# Altium PCB 0020-03_FFT2G.PcbDoc (part 16 of 16)
Units mm, origin at the board's own origin, x right, y up, seen from the top; angles counter-clockwise.
Board outline 195 x 104.5 mm, 12 copper layers (Top Layer, GND1, LVDS1, PWR1, LVDS2, PWR2, LVDS3, PWR3, SIG1, SIG2, GND2, Bottom Layer), stack 1.422 mm thick; 721 components, 650 nets, 4014 pads, 3497 vias.
Unrouted connection lines stored in the file: 78.
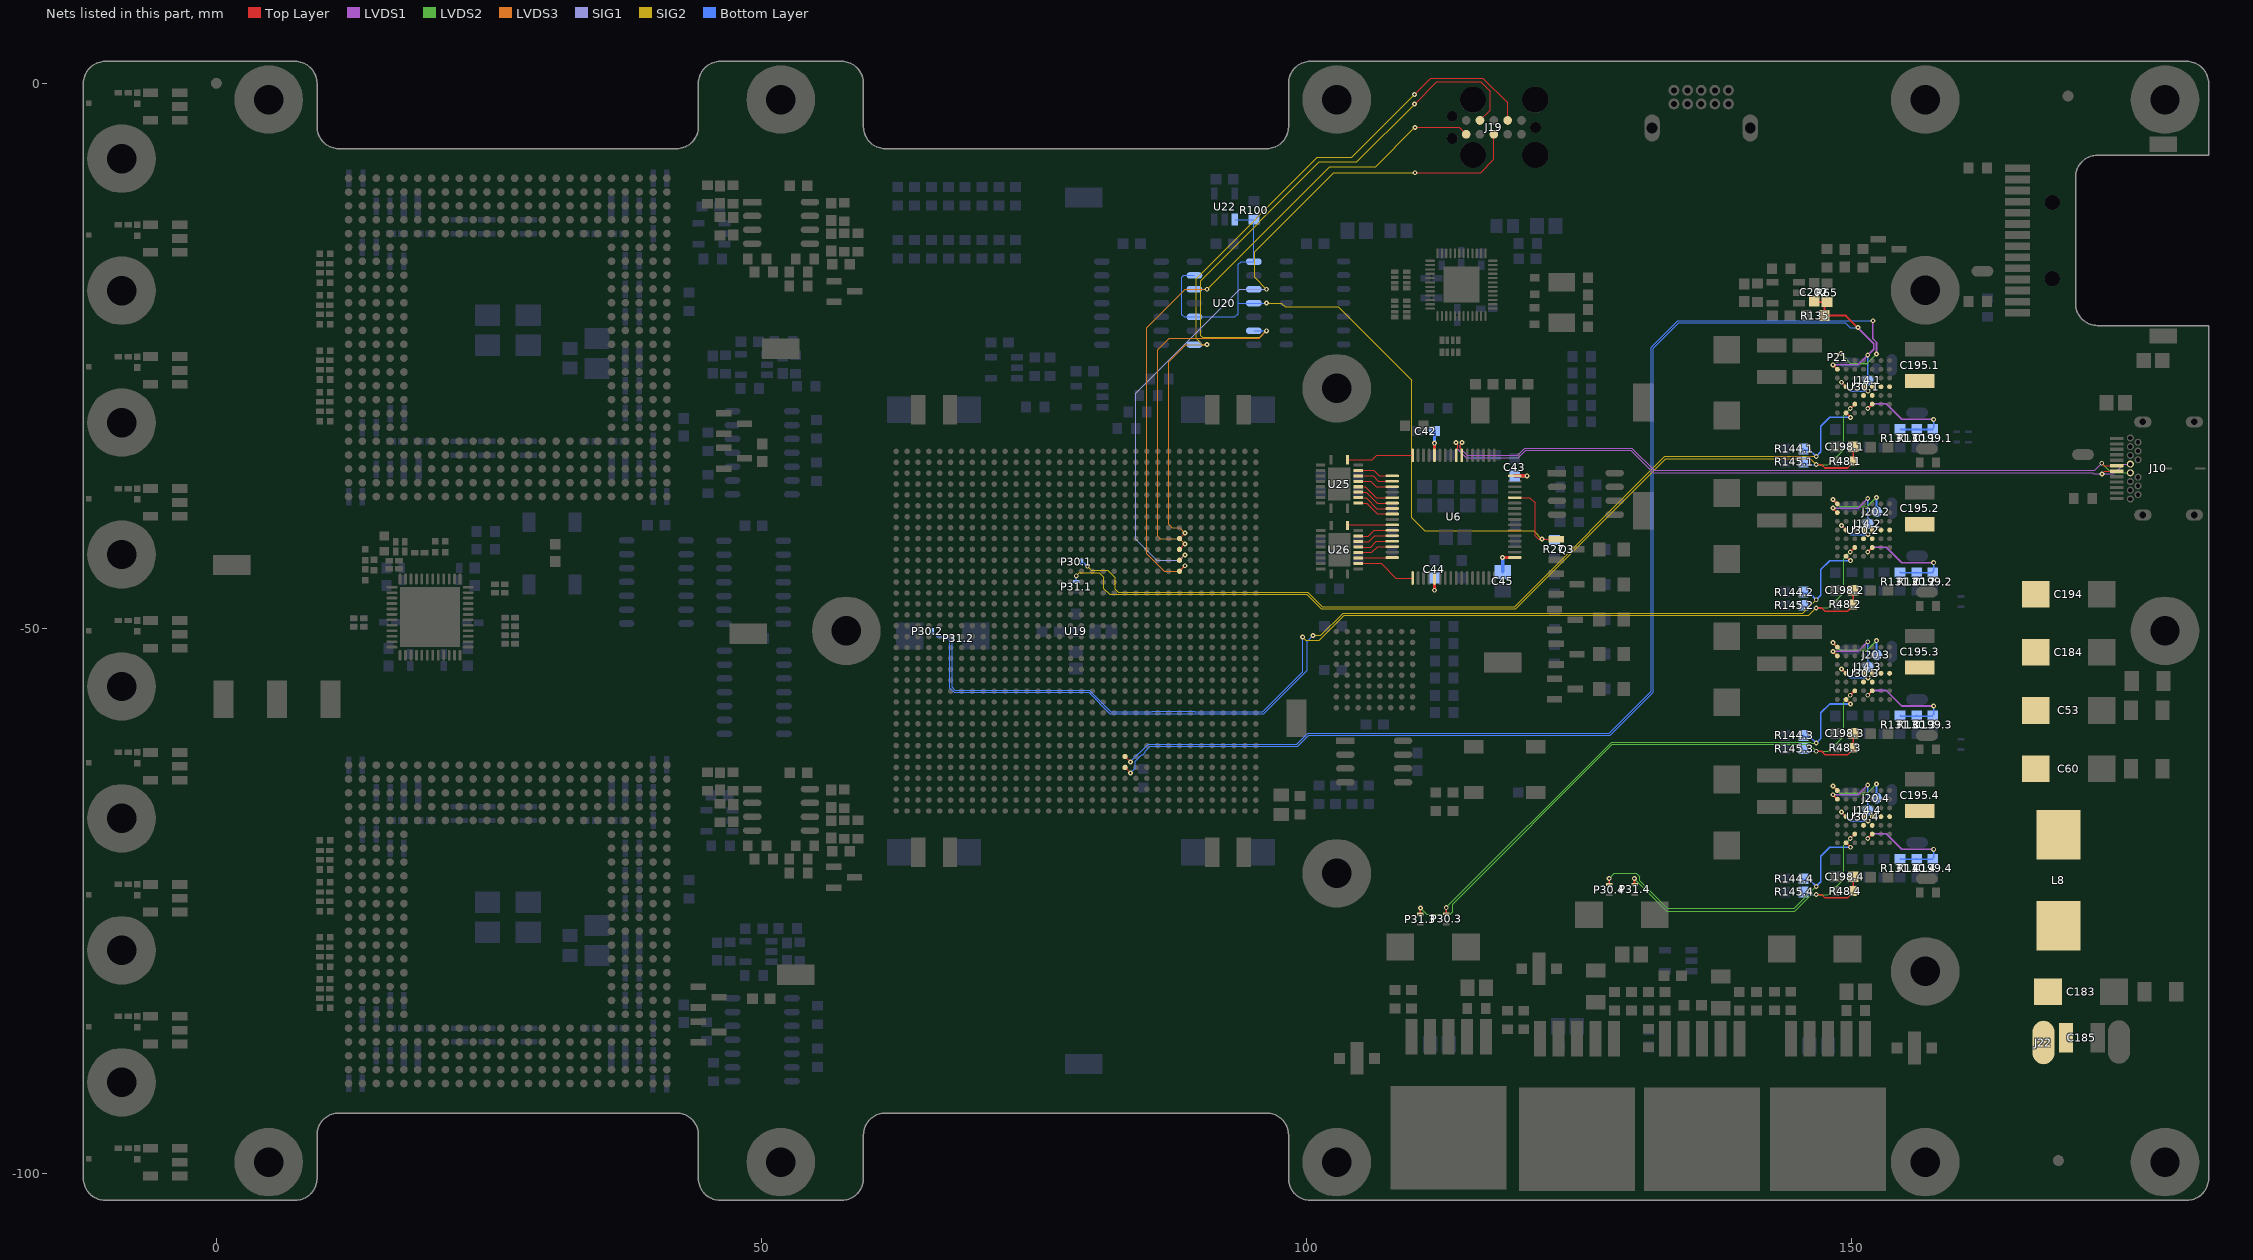
[diagram p26: the nets of this part, all layers, seen from the top]

## Via types
v1: diameter 0.45, hole 0.2, Top Layer to Bottom Layer, tented both sides, 3249 vias
v2: diameter 1, hole 0.5, Top Layer to Bottom Layer, tented both sides, 192 vias
v3: diameter 0.5, hole 0.2, Top Layer to Bottom Layer, tented both sides, 34 vias
v4: diameter 0.6, hole 0.3, Top Layer to Bottom Layer, tented both sides, 12 vias
v5: diameter 0.6, hole 0.2, Top Layer to Bottom Layer, tented both sides, 6 vias
v6: diameter 0.45/0.45/0.45/0.45/0.45/0.45/0.45 (per signal layer), hole 0.2, Top Layer to Bottom Layer, tented both sides, 4 vias

## Nets (pads, with @x,y where several pads share a name; then routed paths per layer and width w, separated by ;. In a path a pad name is that pad's centre, name@x,y a point inside that pad or via, vN(x,y) a via of type N, cw(c..) or ccw(c..) an arc to the next point about the centre after c; other vN are vias at no path point) (continued)
TCK: J19.4 U19.AE8 U20.6 | length 81.4
  Top Layer w0.1: U19.AE8@88.375,-42.78 v1(88.875,-42.28) ; v1(109.948,-1.916) 111.98,0.116 116.019,0.116 116.883,-0.747 116.883,-2.475 J19.4@115.943,-3.414
  LVDS3 w0.1: v1(88.875,-42.28) 88.375,-41.78 86.566,-41.78 86.375,-41.589 86.375,-24.448 87.444,-23.379 95.692,-23.379 v1(96.352,-22.719)
  SIG2 w0.1: v1(96.352,-22.719) 95.743,-23.328 90.492,-23.328 90.314,-23.15 90.314,-18.121 101.211,-7.224 104.64,-7.224 v1(109.948,-1.916)
  Bottom Layer w0.1: U20.6@95.194,-22.719 v1(96.352,-22.719)
TDI: J19.8 U19.AD8 U20.3 | length 68.3
  Top Layer w0.1: U19.AD8@88.375,-43.78 v1(88.875,-43.28) ; v1(109.974,-8.215) 115.994,-8.215 117.213,-6.996 J19.8@117.213,-4.684
  SIG1 w0.1: v1(88.875,-43.28) 88.375,-43.78 86.306,-43.78 84.375,-41.849 84.375,-28.454 93.921,-18.909 v1(96.352,-18.909)
  SIG2 w0.1: v1(96.352,-18.909) 95.267,-17.824 95.267,-15.479 102.532,-8.215 v1(109.974,-8.215)
  Bottom Layer w0.1: U20.3@95.194,-18.909 v1(96.352,-18.909)
TDO: J19.6 U19.AC8 U20.12 | length 64.2
  Top Layer w0.1: U19.AC8@88.375,-44.78 v1(88.875,-44.28) ; v1(109.974,-4.049) 114.038,-4.049 J19.6@114.673,-4.684
  LVDS3 w0.1: v1(88.875,-44.28) 88.375,-44.78 86.96,-44.78 85.375,-43.194 85.375,-22.456 88.923,-18.909 v1(90.902,-18.909)
  SIG2 w0.1: v1(90.902,-18.909) 102.155,-7.656 106.367,-7.656 v1(109.974,-4.049)
  Bottom Layer w0.1: U20.12@89.744,-18.909 v1(90.902,-18.909)
TEMP_PWR: C202.1 J14.1.1 R65.2 R135.1 U19.E13 U30.1.A6 | length 119.5
  Top Layer w0.1: U19.E13@83.375,-62.78 v1(83.875,-63.28)
  Top Layer w0.15: v1@148.324,-25.838 U30.1.A6@148.735,-26.249
  Top Layer w0.2: C202.1@146.626,-19.99 146.711,-20.075 R65.2@147.8,-20.075 147.55,-20.325 R135.1@147.55,-21.325 149.514,-21.325 v1(150.617,-22.428)
  LVDS1 w0.15: v1(148.324,-25.838) 150.638,-25.838 v1(151.525,-24.95) 152.075,-24.4 152.075,-23.905 150.617,-22.447 v1(150.617,-22.428)
  Bottom Layer w0.1: v1(83.875,-63.28) 84.298,-62.857 84.298,-62.234 84.908,-61.625 85.03,-61.625 85.25,-61.405 85.25,-61.283 85.678,-60.855 99.228,-60.855 100.242,-59.841 127.892,-59.841 131.85,-55.883 131.85,-24.308 134.162,-21.996 149.471,-21.996 149.903,-22.428 v1(150.617,-22.428)
  Bottom Layer w0.15: J14.1.1@151.538,-27.263 v1@151.538,-24.963
TEMP_PWR_rtn: P21.1 U19.F13 | length 111.7
  Top Layer w0.1: U19.F13@83.375,-61.78 v1@83.875,-62.279 ; P21.1@148.75,-25 v1(149.083,-24.796)
  LVDS1 w0.15: v1(152,-21.8) 152,-23.458 152.325,-23.783 v1(152.325,-24.852)
  LVDS2 w0.15: v1(149.083,-24.796) 149.083,-24.861 149.948,-25.725 151.452,-25.725 v1(152.325,-24.852)
  Bottom Layer w0.1: v1(83.875,-62.28) 85.5,-60.655 99.145,-60.655 100.159,-59.641 127.809,-59.641 131.65,-55.8 131.65,-24.225 134.079,-21.796 151.996,-21.796 v1(152,-21.8)
TMS: J19.2 U19.AF8 U20.8 | length 68.3
  Top Layer w0.1: U19.AF8@88.375,-41.78 v1(88.875,-41.28) ; v1(109.948,-1.027) 111.447,0.472 116.197,0.472 118.483,-1.814 J19.2@118.483,-3.414
  LVDS3 w0.1: v1(88.875,-41.28) 88.375,-40.78 87.698,-40.78 87.375,-40.457 87.375,-25.556 88.942,-23.989 v1(90.902,-23.989)
  SIG2 w0.1: v1(90.902,-23.989) 90.477,-23.989 89.899,-23.411 89.899,-17.926 101.033,-6.793 104.183,-6.793 v1(109.948,-1.027)
  Bottom Layer w0.1: U20.8@89.744,-23.989 v1(90.902,-23.989)
TRACK/SS.1: C199.1.1 R130.1.1 R131.1.2 U30.1.E2 | length 11.5
  Top Layer w0.15: v1(151.524,-29.86) U30.1.E2@151.935,-29.449
  LVDS1 w0.15: v1(151.524,-29.86) 151.96,-29.424 153.23,-29.424 154.652,-30.846 v1(157.573,-30.846)
  Bottom Layer w0.15: R131.1.2@154.5,-31.724 154.55,-31.774 C199.1.1@157.497,-31.774 ; R130.1.1@155.974,-31.724 R130.1.1@156.024,-31.724 ; C199.1.1@157.447,-31.724 157.573,-31.597 v1(157.573,-30.846) v1@157.508,-30.912
TRACK/SS.2: C199.2.1 R130.2.1 R131.2.2 U30.2.E2 | length 11.5
  Top Layer w0.15: v1(151.524,-43.009) U30.2.E2@151.935,-42.598
  LVDS1 w0.15: v1(151.524,-43.009) 151.96,-42.573 153.23,-42.573 154.652,-43.996 v1(157.573,-43.996)
  Bottom Layer w0.15: R131.2.2@154.5,-44.873 154.55,-44.923 C199.2.1@157.497,-44.923 ; R130.2.1@155.974,-44.873 R130.2.1@156.024,-44.873 ; C199.2.1@157.447,-44.873 157.573,-44.747 v1(157.573,-43.996) v1@157.508,-44.061
TRACK/SS.3: C199.3.1 R130.3.1 R131.3.2 U30.3.E2 | length 11.5
  Top Layer w0.15: v1(151.524,-56.159) U30.3.E2@151.935,-55.748
  LVDS1 w0.15: v1(151.524,-56.159) 151.96,-55.722 153.23,-55.722 154.652,-57.145 v1(157.573,-57.145)
  Bottom Layer w0.15: R131.3.2@154.5,-58.022 154.55,-58.072 C199.3.1@157.497,-58.072 ; R130.3.1@155.974,-58.022 R130.3.1@156.024,-58.022 ; C199.3.1@157.447,-58.022 157.573,-57.896 v1(157.573,-57.145) v1@157.508,-57.21
TRACK/SS.4: C199.4.1 R130.4.1 R131.4.2 U30.4.E2 | length 11.5
  Top Layer w0.15: v1(151.524,-69.308) U30.4.E2@151.935,-68.897
  LVDS1 w0.15: v1(151.524,-69.308) 151.96,-68.872 153.23,-68.872 154.652,-70.294 v1(157.573,-70.294)
  Bottom Layer w0.15: R131.4.2@154.5,-71.171 154.55,-71.221 C199.4.1@157.497,-71.221 ; R130.4.1@155.974,-71.171 R130.4.1@156.024,-71.171 ; C199.4.1@157.447,-71.171 157.573,-71.045 v1(157.573,-70.294) v1@157.508,-70.359
TS+.2: J14.2.1 U30.2.A6 | length 6.4
  Top Layer w0.15: v1(148.324,-38.987) U30.2.A6@148.735,-39.398
  LVDS1 w0.15: v1(148.324,-38.987) 150.638,-38.987 v1(151.525,-38.1)
  Bottom Layer w0.15: J14.2.1@151.538,-40.412 v1@151.538,-38.112
TS+.3: J14.3.1 U30.3.A6 | length 6.4
  Top Layer w0.15: v1(148.324,-52.136) U30.3.A6@148.735,-52.548
  LVDS1 w0.15: v1(148.324,-52.136) 150.638,-52.136 v1(151.525,-51.249)
  Bottom Layer w0.15: J14.3.1@151.538,-53.561 v1@151.538,-51.261
TS+.4: J14.4.1 U30.4.A6 | length 6.4
  Top Layer w0.15: v1(148.324,-65.286) U30.4.A6@148.735,-65.697
  LVDS1 w0.15: v1(148.324,-65.286) 150.638,-65.285 v1(151.525,-64.398)
  Bottom Layer w0.15: J14.4.1@151.538,-66.71 v1@151.538,-64.41
TS-.2: J20.2.1 U30.2.A7 | length 6.5
  Top Layer w0.15: v1(148.324,-38.187) U30.2.A7@148.735,-38.598
  LVDS2 w0.15: v1(148.324,-38.187) 149.012,-38.875 151.452,-38.875 v1(152.325,-38.001)
  Bottom Layer w0.15: J20.2.1@152.325,-39.3 v1(152.325,-38.001)
TS-.3: J20.3.1 U30.3.A7 | length 6.5
  Top Layer w0.15: v1(148.324,-51.336) U30.3.A7@148.735,-51.748
  LVDS2 w0.15: v1(148.324,-51.336) 149.012,-52.024 151.452,-52.024 v1(152.325,-51.151)
  Bottom Layer w0.15: J20.3.1@152.325,-52.449 v1(152.325,-51.151)
TS-.4: J20.4.1 U30.4.A7 | length 6.5
  Top Layer w0.15: v1(148.324,-64.486) U30.4.A7@148.735,-64.897
  LVDS2 w0.15: v1(148.324,-64.486) 149.012,-65.173 151.452,-65.173 v1(152.325,-64.3)
  Bottom Layer w0.15: J20.4.1@152.325,-65.598 v1(152.325,-64.3)
UIN: C183.1 C185.1 J22.1 L8.1
UIN_F: C53.1 C60.1 C184.1 C194.1 C195.1.1 C195.2.1 C195.3.1 C195.4.1 L8.2 U30.1.B4 U30.1.D3 U30.1.D4 U30.1.E3 U30.1.E4 U30.1.F4 U30.1.G4 U30.2.B4 U30.2.D3 U30.2.D4 U30.2.E3 U30.2.E4 U30.2.F4 U30.2.G4 U30.3.B4 U30.3.D3 U30.3.D4 U30.3.E3 U30.3.E4 U30.3.F4 U30.3.G4 U30.4.B4 U30.4.D3 U30.4.D4 U30.4.E3 U30.4.E4 U30.4.F4 U30.4.G4 | length 15.7
  Top Layer w0.15: v1(149.124,-66.886) U30.4.B4@149.535,-67.297 ; v1(149.124,-53.736) U30.3.B4@149.535,-54.148 ; v1(149.124,-40.587) U30.2.B4@149.535,-40.998 ; v1(149.124,-27.438) U30.1.B4@149.535,-27.849 ; U30.4.D4@151.135,-67.297 v1(151.546,-67.708) ; U30.3.D4@151.135,-54.148 v1(151.546,-54.559) ; U30.2.D4@151.135,-40.998 v1(151.546,-41.41) ; U30.1.D4@151.135,-27.849 v1(151.546,-28.26)
  Bottom Layer w0.15: v1(149.124,-66.886) 149.946,-67.708 v1(151.546,-67.708) ; v1(149.124,-53.736) 149.946,-54.559 v1(151.546,-54.559) ; v1(149.124,-40.587) 149.946,-41.41 v1(151.546,-41.41) ; v1(149.124,-27.438) 149.946,-28.26 v1(151.546,-28.26)
USB.\OE: U6.33 U26.13 | length 5.5
  Top Layer w0.1: U26.13@104.774,-44.06 106.896,-44.06 108.237,-45.4 U6.33@109.766,-45.4
USB.\RD: U6.28 U26.17 | length 3.3
  Top Layer w0.1: U26.17@104.774,-42.06 105.738,-42.06 106.273,-41.525 U6.28@107.891,-41.525
USB.\RXF: U6.26 U26.20 | length 4.1
  Top Layer w0.1: U26.20@103.799,-40.585 103.859,-40.525 U6.26@107.891,-40.525
USB.\TXE: U6.27 U26.18 | length 3.3
  Top Layer w0.1: U26.18@104.774,-41.56 105.707,-41.56 106.241,-41.025 U6.27@107.891,-41.025
USB.\WR: U6.29 U26.16 | length 3.3
  Top Layer w0.1: U26.16@104.774,-42.56 105.901,-42.56 106.436,-42.025 U6.29@107.891,-42.025
USB.CLKOUT: U6.32 U26.14 | length 3.1
  Top Layer w0.1: U26.14@104.774,-43.56 104.809,-43.525 U6.32@107.891,-43.525
USB.D0: U6.16 U25.20 | length 6.1
  Top Layer w0.1: U25.20@103.79,-34.552 106.081,-34.552 106.483,-34.15 U6.16@109.766,-34.15
USB.D1: U6.17 U25.18 | length 3.3
  Top Layer w0.1: U25.18@104.765,-35.527 106.218,-35.527 106.716,-36.025 U6.17@107.891,-36.025
USB.D2: U6.18 U25.17 | length 3.3
  Top Layer w0.1: U25.17@104.765,-36.027 106.134,-36.027 106.632,-36.525 U6.18@107.891,-36.525
USB.D3: U6.19 U25.16 | length 3.3
  Top Layer w0.1: U25.16@104.765,-36.527 105.93,-36.527 106.428,-37.025 U6.19@107.891,-37.025
USB.D4: U6.21 U25.15 | length 3.5
  Top Layer w0.1: U25.15@104.765,-37.027 105.432,-37.027 106.43,-38.025 U6.21@107.891,-38.025
USB.D5: U6.22 U25.14 | length 3.5
  Top Layer w0.1: U25.14@104.765,-37.527 105.5,-37.527 106.498,-38.525 U6.22@107.891,-38.525
USB.D6: U6.23 U25.13 | length 3.5
  Top Layer w0.1: U25.13@104.765,-38.027 105.492,-38.027 106.49,-39.025 U6.23@107.891,-39.025
USB.D7: U6.24 U25.12 | length 3.5
  Top Layer w0.1: U25.12@104.765,-38.527 105.535,-38.527 106.533,-39.525 U6.24@107.891,-39.525
USB.SI/WUA: U6.30 U26.15 | length 3.3
  Top Layer w0.1: U26.15@104.774,-43.06 106.011,-43.06 106.545,-42.525 U6.30@107.891,-42.525
USB_D_N: J10.A7 J10.B7 U6.7 | length 66.9
  Top Layer w0.1: U6.7@114.266,-34.15 114.266,-33.667 114.116,-33.517 114.116,-33.412 114.116,-33.213 114.291,-33.038 v1(114.291,-32.98) ; v1@173,-34.975 173.033,-34.942 173.19,-35.098 J10.A7@174.37,-35.098
  LVDS1 w0.1: v1@114.291,-32.921 v1(114.291,-32.98) 114.291,-33.038 114.116,-33.213 114.116,-33.5 114.766,-34.15 119.391,-34.15 120.067,-33.475 129.883,-33.475 131.933,-35.525 172.35,-35.525 v1(173,-34.875)
  LVDS2 w0.1: v1(173,-34.875) 173.873,-35.748 J10.B7@175.62,-35.748
USB_D_P: J10.A6 J10.B6 U6.8 | length 67.2
  Top Layer w0.1: v1(113.741,-32.98) 113.741,-33.038 113.916,-33.213 113.916,-33.329 113.916,-33.517 113.766,-33.667 U6.8@113.766,-34.15 ; v1@173.182,-35.8 173.132,-35.85 v1(173.025,-35.85) 173.276,-35.598 J10.A6@174.37,-35.598
  LVDS1 w0.1: v1@113.741,-32.921 v1(113.741,-32.98) 113.741,-33.038 113.916,-33.213 113.916,-33.583 114.683,-34.35 119.474,-34.35 120.15,-33.675 129.8,-33.675 131.85,-35.725 172.15,-35.725 172.275,-35.85 v1(173.025,-35.85) 174.1,-35.85 175.001,-34.949 J10.B6@175.62,-34.949
USB_PWREN: Q3.1 R27.1 R100.1 U6.60 U20.1 U20.4 U20.10 U20.13 U22.1 | length 74.1
  Top Layer w0.1: U6.60@119.141,-38.025 120.527,-38.025 121.018,-38.517 121.018,-41.514 121.33,-41.825 v1(121.628,-41.825) Q3.1@122.789,-41.825
  SIG2 w0.1: v1(96.352,-20.179) 97.729,-20.179 98.079,-20.529 102.954,-20.529 109.667,-27.242 109.667,-39.866 110.858,-41.057 120.86,-41.057 v1(121.628,-41.825)
  Bottom Layer w0.1: U20.13@89.744,-17.639 88.765,-17.639 88.587,-17.816 88.587,-21.228 88.808,-21.449 U20.10@89.744,-21.449 93.446,-21.449 93.764,-21.13 93.764,-20.178 93.764,-16.622 94.018,-16.369 U20.1@95.194,-16.369 95.194,-12.526 R100.1@95.201,-12.518 ; U22.1@93.458,-12.518 R100.1@95.201,-12.518 ; 93.765,-20.179 U20.4@95.194,-20.179 v1(96.352,-20.179) ; R100.1@95.212,-12.507 R100.1@95.201,-12.518 ; v1(121.628,-41.825) 122.676,-41.825 R27.1@122.771,-41.921
VCORE: C42.1 C43.1 C44.1 C45.2 U6.12 U6.37 U6.49 U6.64 | length 9.2
  Top Layer w0.3: v1(111.766,-46.523) U6.37@111.766,-45.4 ; U6.12@111.766,-34.15 v1(111.766,-33.028) ; v1(118.019,-43.525) U6.49@119.141,-43.525 ; U6.64@119.141,-36.025 v1(120.263,-36.025)
  Bottom Layer w0.3: v1(111.766,-46.523) C44.1@111.766,-45.4 ; v1(111.766,-33.028) 111.773,-33.022 C42.1@111.773,-31.913 ; v1(118.019,-43.525) 118.026,-43.532 C45.2@118.026,-44.842 ; C43.1@119.141,-36.025 v1(120.263,-36.025)
VOSNS+.1: P30.1.1 R144.1.1 U30.1.B1 | length 83.6
  Top Layer w0.15: U30.1.B1@149.535,-30.249 v1(149.946,-30.661)
  SIG2 w0.1: v1(79.925,-44.325) 80.275,-44.675 81.801,-44.675 82.5,-45.374 82.5,-46.435 82.77,-46.705 100.144,-46.705 101.482,-48.043 119.125,-48.043 132.918,-34.25 v1(146.8,-34.25)
  Bottom Layer w0.15: P30.1.1@79.375,-43.925 79.375,-43.987 79.425,-44.037 79.637,-44.037 v1(79.925,-44.325) ; R144.1.1@145.625,-33.55 145.737,-33.662 146.212,-33.662 v1(146.8,-34.25) 147.225,-33.825 147.225,-31.475 148.039,-30.661 v1(149.946,-30.661)
VOSNS+.2: P30.2.1 R144.2.1 U30.2.B1 | length 100.8
  Top Layer w0.15: U30.2.B1@149.535,-43.398 v1(149.946,-43.81)
  SIG2 w0.1: v1(100.625,-50.675) 101.356,-50.675 103.396,-48.635 145.563,-48.635 v1(146.8,-47.399)
  Bottom Layer w0.1: P30.2.1@65.725,-50.3 65.725,-50.388 66.131,-50.794 66.919,-50.794 67.3,-51.174 67.3,-55.517 67.687,-55.905 80.031,-55.905 81.981,-57.855 85.958,-57.855 85.974,-57.839 89.621,-57.839 89.637,-57.855 96.113,-57.855 100.1,-53.868 100.1,-51.2 v1(100.625,-50.675)
  Bottom Layer w0.15: R144.2.1@145.625,-46.699 145.737,-46.811 146.212,-46.811 v1(146.8,-47.399) 147.225,-46.974 147.225,-44.624 148.039,-43.81 v1(149.946,-43.81)
VOSNS+.3: P30.3.1 R144.3.1 U30.3.B1 | length 48.9
  Top Layer w0.15: P30.3.1@112.85,-76.2 v1(112.85,-75.65) ; U30.3.B1@149.535,-56.548 v1(149.946,-56.959)
  LVDS2 w0.1: v1(112.85,-75.65) 112.85,-75.617 128.018,-60.448 146.233,-60.448 146.333,-60.548 v1(146.8,-60.548)
  Bottom Layer w0.15: R144.3.1@145.625,-59.848 145.737,-59.96 146.212,-59.96 v1(146.8,-60.548) 147.225,-60.123 147.225,-57.773 148.039,-56.959 v1(149.946,-56.959)
VOSNS+.4: P30.4.1 R144.4.1 U30.4.B1 | length 30.2
  Top Layer w0.15: P30.4.1@127.8,-73.525 v1(127.8,-72.975) ; U30.4.B1@149.535,-69.697 v1(149.946,-70.108)
  LVDS2 w0.1: v1(127.8,-72.975) 128.275,-72.5 130.3,-72.5 130.6,-72.8 130.6,-73.175 133.134,-75.709 144.788,-75.709 v1(146.8,-73.697)
  Bottom Layer w0.15: R144.4.1@145.625,-72.997 145.737,-73.11 146.212,-73.11 v1(146.8,-73.697) 147.225,-73.272 147.225,-70.922 148.039,-70.108 v1(149.946,-70.108)
VOSNS-.1: C198.1.2 P31.1.1 R48.1.1 R145.1.1 U30.1.C2 | length 90.6
  Top Layer w0.15: v1(146.8,-35) 147.3,-35 147.607,-35.307 149.67,-35.307 150.195,-34.782 R48.1.1@150.195,-34.682 ; v1(149.924,-29.86) U30.1.C2@150.335,-29.449 ; R48.1.1@150.195,-34.682 C198.1.2@150.195,-33.361
  LVDS2 w0.1: v1(146.8,-35) 147.915,-35 149.301,-33.614 149.301,-30.484 v1(149.924,-29.86)
  SIG2 w0.1: v1(78.9,-45.2) 79.195,-44.905 81.031,-44.905 81.445,-45.319 81.445,-46.38 81.97,-46.905 100.061,-46.905 101.399,-48.243 119.208,-48.243 133.001,-34.45 146.25,-34.45 v1(146.8,-35)
  Bottom Layer w0.1: P31.1.1@78.9,-45.725 v1(78.9,-45.2) ; R145.1.1@145.625,-34.75 145.875,-35 v1(146.8,-35)
VOSNS-.2: C198.2.2 P31.2.1 R48.2.1 R145.2.1 U30.2.C2 | length 104.9
  Top Layer w0.15: v1(146.8,-48.149) 147.3,-48.149 147.607,-48.456 149.67,-48.456 150.195,-47.931 R48.2.1@150.195,-47.831 ; v1(149.924,-43.009) U30.2.C2@150.335,-42.598 ; R48.2.1@150.195,-47.831 C198.2.2@150.195,-46.51
  LVDS2 w0.1: v1(146.8,-48.149) 147.915,-48.149 149.301,-46.764 149.301,-43.633 v1(149.924,-43.009)
  SIG2 w0.1: v1(99.675,-50.825) 99.95,-51.1 101.214,-51.1 103.478,-48.835 146.113,-48.835 v1(146.8,-48.149)
  Bottom Layer w0.1: P31.2.1@67.575,-50.925 67.5,-50.999 67.5,-55.091 67.5,-55.435 67.77,-55.705 80.113,-55.705 82.063,-57.655 85.876,-57.655 85.892,-57.639 89.704,-57.639 89.72,-57.655 96.031,-57.655 99.675,-54.01 v1(99.675,-50.825) ; R145.2.1@145.625,-47.899 145.875,-48.149 v1(146.8,-48.149)
VOSNS-.3: C198.3.2 P31.3.1 R48.3.1 R145.3.1 U30.3.C2 | length 58.4
  Top Layer w0.15: P31.3.1@110.475,-76.225 v1(110.475,-75.675) ; v1(146.8,-61.298) 147.3,-61.298 147.607,-61.605 149.67,-61.605 150.195,-61.08 R48.3.1@150.195,-60.98 ; v1(149.924,-56.159) U30.3.C2@150.335,-55.748 ; R48.3.1@150.195,-60.98 C198.3.2@150.195,-59.659
  LVDS2 w0.1: v1(110.475,-75.675) 111.05,-76.25 113.196,-76.25 113.433,-76.012 113.433,-75.316 128.101,-60.648 146.15,-60.648 v1(146.8,-61.298) 147.915,-61.298 149.301,-59.913 149.301,-56.782 v1(149.924,-56.159)
  Bottom Layer w0.1: R145.3.1@145.625,-61.048 145.875,-61.298 v1(146.8,-61.298)
VOSNS-.4: C198.4.2 P31.4.1 R48.4.1 R145.4.1 U30.4.C2 | length 33.2
  Top Layer w0.15: P31.4.1@130.125,-73.5 v1@130.125,-72.95 ; v1(146.8,-74.447) 147.3,-74.447 147.607,-74.754 149.67,-74.754 150.195,-74.229 R48.4.1@150.195,-74.129 ; v1(149.924,-69.308) U30.4.C2@150.335,-68.897 ; R48.4.1@150.195,-74.129 C198.4.2@150.195,-72.809
  LVDS2 w0.1: v1@130.09,-72.99 133.059,-75.959 144.825,-75.959 146.337,-74.447 v1(146.8,-74.447) 147.915,-74.447 149.301,-73.062 149.301,-69.931 v1(149.924,-69.308)
  Bottom Layer w0.1: R145.4.1@145.625,-74.197 145.875,-74.447 v1(146.8,-74.447)
  other v1: 130.107,-72.973
pads on no net: D4.1.3 D4.2.3 D5.1.2 D5.2.2 FID1.REF FID2.REF FID3.REF J1.MH1 J1.MH2 J10.A2 J10.A3 J10.A5 J10.A8 J10.A10 J10.A11 J10.B2 J10.B3 J10.B5 J10.B8 J10.B10 J10.B11 J11.10 J11.MH1 J11.MH2 J19.10 J19.A J19.B J19.C J19.D J19.E J19.F J19.G U1.1.AA1 U1.1.AA2 U1.1.AA23 U1.1.AA24 U1.1.AB1 U1.1.AB2 U1.1.AB23 U1.1.AB24 U1.1.AC10 U1.1.AD8 U1.1.AD10 U1.1.B12 U1.1.B13 U1.1.C1 U1.1.C2 U1.1.C23 U1.1.C24 U1.1.D1 U1.1.D2 U1.1.D23 U1.1.D24 U1.1.E1 U1.1.E2 U1.1.E23 U1.1.E24 U1.1.F1 U1.1.F2 U1.1.F23 U1.1.F24 U1.1.G1 U1.1.G2 U1.1.G3 U1.1.G4 U1.1.G21 U1.1.G22 U1.1.G23 U1.1.G24 U1.1.H3 U1.1.H4 U1.1.H21 U1.1.H22 U1.1.U3 U1.1.U4 U1.1.U21 U1.1.U22 U1.1.V1 U1.1.V2 U1.1.V3 U1.1.V4 U1.1.V21 U1.1.V22 U1.1.V23 U1.1.V24 U1.1.W1 U1.1.W2 U1.1.W23 U1.1.W24 U1.1.Y1 U1.1.Y2 U1.1.Y23 U1.1.Y24 U1.2.AA1 U1.2.AA2 U1.2.AA23 U1.2.AA24 U1.2.AB1 U1.2.AB2 U1.2.AB23 U1.2.AB24 U1.2.AC10 U1.2.AD8 U1.2.AD10 U1.2.B12 U1.2.B13 U1.2.C1 U1.2.C2 U1.2.C23 U1.2.C24 U1.2.D1 U1.2.D2 U1.2.D23 U1.2.D24 U1.2.E1 U1.2.E2 U1.2.E23 U1.2.E24 U1.2.F1 U1.2.F2 U1.2.F23 U1.2.F24 U1.2.G1 U1.2.G2 U1.2.G3 U1.2.G4 U1.2.G21 U1.2.G22 U1.2.G23 U1.2.G24 U1.2.H3 U1.2.H4 U1.2.H21 U1.2.H22 U1.2.U3 U1.2.U4 U1.2.U21 U1.2.U22 U1.2.V1 U1.2.V2 U1.2.V3 U1.2.V4 U1.2.V21 U1.2.V22 U1.2.V23 U1.2.V24 U1.2.W1 U1.2.W2 U1.2.W23 U1.2.W24 U1.2.Y1 U1.2.Y2 U1.2.Y23 U1.2.Y24 U2.11 U3.6 U3.22 U3.23 U3.28 U3.29 U3.32 U3.33 U3.36 U4.11 U6.34 U6.43 U6.44 U6.45 U6.46 U6.48 U6.52 U6.53 U6.54 U6.55 U6.57 U6.58 U6.59 U7.6 U7.7 U13.44 U13.45 U18.1.3 U18.2.3 U19.A3 U19.A4 U19.A23 U19.A24 U19.A25 U19.A31 U19.A33 U19.AA8 U19.AA23 U19.AA26 U19.AB1 U19.AB2 U19.AB5 U19.AB6 U19.AB10 U19.AB23 U19.AB25 U19.AB26 U19.AB30 U19.AB31 U19.AC10 U19.AC14 U19.AC17 U19.AC18 U19.AC22 U19.AC23 U19.AC24 U19.AC25 U19.AD1 U19.AD2 U19.AD5 U19.AD6 U19.AD9 U19.AD11 U19.AD14 U19.AD21 U19.AD22 U19.AD25 U19.AD26 U19.AD27 U19.AE12 U19.AE13 U19.AE14 U19.AE21 U19.AE22 U19.AE23 U19.AE24 U19.AE27 U19.AE28 U19.AE29 U19.AF1 U19.AF2 U19.AF13 U19.AF14 U19.AF15 U19.AF16 U19.AF31 U19.AG12 U19.AG13 U19.AG15 U19.AG20 U19.AG21 U19.AG22 U19.AG23 U19.AG25 U19.AG26 U19.AG31 U19.AH1 U19.AH2 U19.AH5 U19.AH6 U19.AH9 U19.AH12 U19.AH13 U19.AH14 U19.AH19 U19.AH22 U19.AH27 U19.AH28 U19.AH32 U19.AH33 U19.AH34 U19.AJ9 U19.AJ11 U19.AJ16 U19.AJ19 U19.AJ22 U19.AJ34 U19.AK1 U19.AK2 U19.AK5 U19.AK6 U19.AK11 U19.AK13 U19.AK22 U19.AK23 U19.AK29 U19.AL13 U19.AL15 U19.AL16 U19.AL18 U19.AL24 U19.AL29 U19.AL30 U19.AM1 U19.AM2 U19.AM12 U19.AM13 U19.AM15 U19.AM18 U19.AM22 U19.AM30 U19.AM31 U19.AM32 U19.AN3 U19.AN4 U19.AN10 U19.AN12 U19.AN14 U19.AN18 U19.AN22 U19.AN23 U19.AN24 U19.AN25 U19.AN30 U19.AN32 U19.AP1 U19.AP2 U19.AP10 U19.AP11 U19.AP12 U19.AP14 U19.AP19 U19.AP22 U19.AP24 U19.AP25 U19.AP30 U19.AP31 U19.AP32 U19.AP33 U19.B1 U19.B2 U19.B10 U19.B18 U19.B23 U19.B25 U19.B31 U19.B32 U19.B33 U19.C3 U19.C4 U19.C12 U19.C13 U19.C14 U19.C18 U19.C20 U19.C22 U19.C23 U19.C24 U19.C25 U19.C30 U19.C32 U19.D1 U19.D2 U19.D12 U19.D14 U19.D20 U19.D22 U19.D25 U19.D26 U19.D27 U19.D30 U19.E12 U19.E26 U19.E27 U19.E32 U19.E33 U19.F1 U19.F2 U19.F5 U19.F6 U19.F8 U19.F15 U19.F26 U19.F30 U19.G8 U19.G12 U19.G13 U19.G15 U19.G16 U19.G17 U19.G21 U19.G22 U19.G30 U19.G32 U19.H1 U19.H2 U19.H5 U19.H6 U19.H8 U19.H9 U19.H13 U19.H14 U19.H15 U19.H17 U19.H28 U19.H29 U19.H32 U19.J9 U19.J10 U19.J11 U19.J14 U19.J15 U19.J16 U19.J17 U19.J19 U19.J20 U19.J21 U19.J24 U19.J25 U19.J26 U19.J27 U19.J31 U19.J32 U19.K1 U19.K2 U19.K9 U19.K11 U19.K12 U19.K13 U19.K14 U19.K17 U19.K18 U19.K19 U19.K23 U19.K24 U19.K31 U19.K32 U19.L9 U19.L10 U19.L11 U19.L13 U19.L14 U19.L15 U19.L18 U19.L19 U19.L20 U19.L21 U19.L23 U19.L25 U19.L26 U19.L31 U19.M1 U19.M2 U19.M5 U19.M6 U19.M10 U19.M11 U19.M12 U19.M13 U19.M15 U19.M16 U19.M17 U19.M18 U19.M22 U19.M25 U19.M26 U19.M27 U19.M30 U19.M31 U19.N25 U19.N30 U19.N34 U19.P1 U19.P2 U19.P5 U19.P6 U19.P29 U19.P30 U19.P31 U19.P34 U19.R29 U19.R33 U19.R34 U19.T1 U19.T2 U19.T5 U19.T6 U19.T23 U19.T24 U19.T25 U19.T28 U19.T29 U19.T30 U19.T31 U19.T33 U19.T34 U19.U23 U19.U25 U19.U26 U19.U27 U19.U28 U19.U30 U19.U31 U19.U32 U19.U33 U19.V1 U19.V2 U19.V5 U19.V6 U19.V23 U19.V25 U19.V27 U19.V28 U19.V29 U19.V30 U19.V32 U19.V33 U19.W25 U19.W26 U19.W27 U19.W29 U19.W30 U19.W31 U19.W32 U19.Y1 U19.Y2 U19.Y27 U19.Y28 U19.Y29 U19.Y31 U19.Y32 U19.Y33 U19.Y34 U21.A1 U21.A8 U21.B1 U21.C1 U21.D1 U21.E1 U21.F7 U21.G1 U21.G8 U21.H1 U21.H8 U23.3 U27.6 U27.7 U31.3 X1.1 X4.1
copper on no net:
  other v1: 109.675,-77.346 109.675,-74.846

## Polygon pours and split planes (outlines as drawn)
UIN_F on Top Layer "Top Layer-UIN_F" (solid, remove dead copper, pour order 193): 60 vertices, not listed, extent 150.69,-72.825 172.1,-26.147
GND on Top Layer "Top layer power ground" (solid, pour order 182): 98.825,-100.5 98.825,-93.9 cw(c100.375,-93.9) 100.375,-92.349 159.13,-92.349 cw(c159.13,-93.9) 160.68,-93.9 160.68,-100.5 cw(c159.13,-100.5) 159.13,-102.05 100.375,-102.05 cw(c100.375,-100.5)
GND on Top Layer "GND_L01_P190" (solid, remove dead copper, pour order 190): 26 vertices, not listed, extent 136.248,-43.175 158.482,-36.122
GND on Top Layer "GND_L01_P189" (solid, remove dead copper, pour order 189): 26 vertices, not listed, extent 136.248,-56.325 158.482,-49.271
GND on Top Layer "GND_L01_P188" (solid, remove dead copper, pour order 188): 26 vertices, not listed, extent 136.248,-69.474 158.482,-62.42
GND on Top Layer "GND_L01_P187" (solid, remove dead copper, pour order 187): 26 vertices, not listed, extent 136.248,-30.026 158.482,-22.972
+2V5 on Top Layer "+2V5_L01_P186" (solid, remove dead copper, pour order 186): 20 vertices, not listed, extent 136.248,-46.739 155.719,-38.916
+2V3 on Top Layer "+2V3_L01_P185" (solid, remove dead copper, pour order 185): 20 vertices, not listed, extent 136.248,-59.888 155.719,-52.065
+3.8V on Top Layer "+3.8V_L01_P184" (solid, remove dead copper, pour order 184): 20 vertices, not listed, extent 136.248,-73.037 155.719,-65.214
+1V0 on Top Layer "+1V0_L01_P183" (solid, remove dead copper, pour order 183): 20 vertices, not listed, extent 136.248,-33.59 155.719,-25.766
GND on Top Layer "Top Layer-GND 5" (solid, pour order 177): -2.68,-50.049 -4.026,-50.049 cw(c-4.026,-49.693) -4.381,-49.693 -4.381,-48.906 -5.016,-48.906 -5.016,-49.718 cw(c-5.347,-49.718) -5.347,-50.049 -6.744,-50.049 -6.744,-52.233 -4.381,-52.233 -4.381,-51.392 cw(c-4.051,-51.392) -4.051,-51.062 -2.68,-51.062
GND on Top Layer "Top Layer-No Net 4" (solid, pour order 194): 18 vertices, not listed, extent 170.575,-90.3 182.8,-40.375
UIN on Top Layer "Top Layer-No Net 3" (solid, pour order 195): 170.425,-90.225 166.875,-90.225 166.125,-89.475 166.125,-74.95 167.1,-73.975 170.95,-73.975 171.775,-74.8 171.775,-80.45 170.425,-81.8
no net on Top Layer "Top Layer-No Net 2" (solid, pour order 192): 154.703,-26.831
GND on Top Layer "Top Layer-GND 1" (solid, pour order 181): -2.68,-98.477 -4.026,-98.477 cw(c-4.026,-98.121) -4.381,-98.121 -4.381,-97.334 -5.016,-97.334 -5.016,-98.146 cw(c-5.347,-98.146) -5.347,-98.477 -6.744,-98.477 -6.744,-100.661 -4.381,-100.661 -4.381,-99.82 cw(c-4.051,-99.82) -4.051,-99.49 -2.68,-99.49
GND on Top Layer "Top Layer-GND 2" (solid, pour order 180): -2.68,-86.37 -4.026,-86.37 cw(c-4.026,-86.014) -4.381,-86.014 -4.381,-85.227 -5.016,-85.227 -5.016,-86.039 cw(c-5.347,-86.039) -5.347,-86.37 -6.744,-86.37 -6.744,-88.554 -4.381,-88.554 -4.381,-87.713 cw(c-4.051,-87.713) -4.051,-87.383 -2.68,-87.383
GND on Top Layer "Top Layer-GND 3" (solid, pour order 179): -2.68,-74.263 -4.026,-74.263 cw(c-4.026,-73.907) -4.381,-73.907 -4.381,-73.12 -5.016,-73.12 -5.016,-73.932 cw(c-5.347,-73.932) -5.347,-74.263 -6.744,-74.263 -6.744,-76.447 -4.381,-76.447 -4.381,-75.606 cw(c-4.051,-75.606) -4.051,-75.276 -2.68,-75.276
GND on Top Layer "Top Layer-GND 4" (solid, pour order 178): -2.68,-62.156 -4.026,-62.156 cw(c-4.026,-61.8) -4.381,-61.8 -4.381,-61.013 -5.016,-61.013 -5.016,-61.825 cw(c-5.347,-61.825) -5.347,-62.156 -6.744,-62.156 -6.744,-64.34 -4.381,-64.34 -4.381,-63.499 cw(c-4.051,-63.499) -4.051,-63.169 -2.68,-63.169
GND on Top Layer "Top Layer-GND 6" (solid, pour order 176): -2.68,-37.942 -4.026,-37.942 cw(c-4.026,-37.586) -4.381,-37.586 -4.381,-36.799 -5.016,-36.799 -5.016,-37.611 cw(c-5.347,-37.611) -5.347,-37.942 -6.744,-37.942 -6.744,-40.126 -4.381,-40.126 -4.381,-39.285 cw(c-4.051,-39.285) -4.051,-38.955 -2.68,-38.955
GND on Top Layer "Top Layer-GND 7" (solid, pour order 175): -2.68,-25.834 -4.026,-25.834 cw(c-4.026,-25.479) -4.381,-25.479 -4.381,-24.691 -5.016,-24.691 -5.016,-25.504 cw(c-5.347,-25.504) -5.347,-25.834 -6.744,-25.834 -6.744,-28.019 -4.381,-28.019 -4.381,-27.178 cw(c-4.051,-27.178) -4.051,-26.848 -2.68,-26.848
GND on Top Layer "Top Layer-GND 8" (solid, pour order 174): -2.68,-1.619 -4.026,-1.619 cw(c-4.026,-1.264) -4.381,-1.264 -4.381,-0.476 -5.016,-0.476 -5.016,-1.289 cw(c-5.347,-1.289) -5.347,-1.619 -6.744,-1.619 -6.744,-3.804 -4.381,-3.804 -4.381,-2.963 cw(c-4.051,-2.963) -4.051,-2.633 -2.68,-2.633
GND on Top Layer "Top Layer-GND 9" (solid, pour order 173): -2.68,-13.727 -4.026,-13.727 cw(c-4.026,-13.371) -4.381,-13.371 -4.381,-12.584 -5.016,-12.584 -5.016,-13.396 cw(c-5.347,-13.396) -5.347,-13.727 -6.744,-13.727 -6.744,-15.911 -4.381,-15.911 -4.381,-15.07 cw(c-4.051,-15.07) -4.051,-14.74 -2.68,-14.74
no net on Top Layer "Top Layer-No Net 1" (solid, pour order 172): -2.705,-13.854
no net on Top Layer "Top Layer-No Net" (solid, pour order 171): 110.266,-84.146
GND on Bottom Layer "GND_L12_P209" (solid, pour order 209): 98.825,-100.5 98.825,-93.9 cw(c100.375,-93.9) 100.375,-92.349 159.13,-92.349 cw(c159.13,-93.9) 160.68,-93.9 160.68,-100.5 cw(c159.13,-100.5) 159.13,-102.05 100.375,-102.05 cw(c100.375,-100.5)
no net on Bottom Layer "NONET_L12_P191" (solid, remove dead copper, pour order 191): 144.543,-33.59 143.654,-32.701 143.654,-30.186 142.46,-28.992 138.676,-28.992 137.787,-28.103 137.787,-26.02 138.041,-25.766 147.439,-25.766 148.455,-26.782 148.455,-33.59
GND on Bottom Layer "GND_L12_P197" (solid, pour order 197): -3.367,2 -10.299,2 ccw(c-10.299,0.099) -12.2,0.099 -12.2,-100.5 ccw(c-10.2,-100.5) -10.2,-102.5 -3.375,-102.5 -3.375,-101.5
GND on LVDS1 "GND_L03_P199" (solid, pour order 199): 98.825,-100.5 98.825,-93.9 cw(c100.375,-93.9) 100.375,-92.349 159.13,-92.349 cw(c159.13,-93.9) 160.68,-93.9 160.68,-100.5 cw(c159.13,-100.5) 159.13,-102.05 100.375,-102.05 cw(c100.375,-100.5)
GND on LVDS2 "GND_L05_P201" (solid, pour order 201): 98.825,-100.5 98.825,-93.9 cw(c100.375,-93.9) 100.375,-92.349 159.13,-92.349 cw(c159.13,-93.9) 160.68,-93.9 160.68,-100.5 cw(c159.13,-100.5) 159.13,-102.05 100.375,-102.05 cw(c100.375,-100.5)
GND on LVDS3 "GND_L07_P203" (solid, pour order 203): 98.825,-100.5 98.825,-93.9 cw(c100.375,-93.9) 100.375,-92.349 159.13,-92.349 cw(c159.13,-93.9) 160.68,-93.9 160.68,-100.5 cw(c159.13,-100.5) 159.13,-102.05 100.375,-102.05 cw(c100.375,-100.5)
GND on SIG1 "GND_L09_P205" (solid, pour order 205): 98.825,-100.5 98.825,-93.9 cw(c100.375,-93.9) 100.375,-92.349 159.13,-92.349 cw(c159.13,-93.9) 160.68,-93.9 160.68,-100.5 cw(c159.13,-100.5) 159.13,-102.05 100.375,-102.05 cw(c100.375,-100.5)
GND on SIG2 "GND_L10_P207" (solid, pour order 207): 98.825,-100.5 98.825,-93.9 cw(c100.375,-93.9) 100.375,-92.349 159.13,-92.349 cw(c159.13,-93.9) 160.68,-93.9 160.68,-100.5 cw(c159.13,-100.5) 159.13,-102.05 100.375,-102.05 cw(c100.375,-100.5)
GND on GND1 (split plane): 382 vertices, not listed, extent -11.69,-101.989 182.289,1.49
GND on GND1 (split plane): 17 vertices, not listed, extent 114.977,-35.673 121.073,-26.902
GND on GND1 (split plane): 17 vertices, not listed, extent 115.952,-23.073 126.398,-17.177
+1V0 on PWR1 (split plane): 139 vertices, not listed, extent 59.478,-101.989 182.289,1.49
+3V3A on PWR1 (split plane): 249 vertices, not listed, extent -11.69,-101.989 148.791,1.49
GND on PWR1 (split plane): 28 vertices, not listed, extent 98.216,-101.989 161.287,-91.82
+1V0A on PWR1 (split plane): 119.143,-17.765 117.484,-17.765 115.888,-16.169 115.855,-16.147 115.816,-16.139 111.286,-16.139 110.478,-15.331 110.445,-15.309 110.406,-15.301 108.552,-15.301 108.552,-12.576 119.143,-12.576
GND on PWR2 (split plane): 28 vertices, not listed, extent 98.216,-101.989 161.287,-92.163
+2V5 on PWR2 (split plane): 173 vertices, not listed, extent 42.486,-101.989 182.289,1.49
SYSMON_GND on PWR2 (split plane): 80.273,-52.678 74.477,-52.678 74.477,-48.882 80.273,-48.882
+1V8 on PWR2 (split plane): 242 vertices, not listed, extent -11.69,-101.989 104.575,1.49
+1V8-LDO on PWR2 (split plane): 118.297,-91.959 104.779,-91.959 104.779,-78.573 118.297,-78.573
+3V3A-LDO on PWR2 (split plane): 137.288,-91.959 118.5,-91.959 118.5,-78.573 137.288,-78.573
+2V5A on PWR2 (split plane): 119.219,-16.31 111.473,-16.31 111.473,-12.576 119.219,-12.576
VCORE on PWR2 (split plane): 120.845,-48.245 109.593,-48.245 109.593,-32.416 120.845,-32.416
GND on PWR3 (split plane): 49 vertices, not listed, extent 98.216,-101.989 161.198,-78.002
+3V3 on PWR3 (split plane): 426 vertices, not listed, extent -11.69,-101.989 182.289,1.49
+3V3-LDO on PWR3 (split plane): 24 vertices, not listed, extent 142.794,-93.398 155.698,-81.452
+2V3 on PWR3 (split plane): 47 vertices, not listed, extent 111.752,-91.616 148.169,-51.913
+3.8V on PWR3 (split plane): 33 vertices, not listed, extent 123.352,-88.907 153.055,-61.784
GND on GND2 (split plane): 382 vertices, not listed, extent -11.69,-101.989 182.289,1.49

## Other copper
Top Layer:
  rectangle net +1V0: 67.555,-32.108 70.197,-27.94
  region net GND: 64.146,-27.807 61.505,-27.807 61.505,-31.975 64.146,-31.975
  region net GND: 64.146,-68.421 61.505,-68.421 61.505,-72.589 64.146,-72.589
  rectangle net +1V0: 67.555,-72.722 70.197,-68.554
  region net +1V0: 92.674,-69.529 91.799,-69.529 91.799,-71.629 92.674,-71.629
  rectangle net GND: 92.975,-71.614 93.85,-69.514
  region net +1V0: 92.674,-28.915 91.799,-28.915 91.799,-31.015 92.674,-31.015
  rectangle net GND: 92.975,-31 93.85,-28.9
  region net +1V8-LDO: 107.75,-87.925 105.775,-87.925 105.775,-90.95 107.75,-90.95
  rectangle net +1V8: 101.55,-91.025 103.525,-88
  rectangle net +3V3-LDO: 152.7,-90.075 154.675,-87.05
  region net +3V3: 158.9,-86.975 156.925,-86.975 156.925,-90 158.9,-90
  rectangle net +2V3: 112.514,-80.74 116.839,-77.74
  rectangle net GND: 106.464,-80.74 110.789,-77.74
  rectangle net +3.8V: 147.517,-80.94 151.842,-77.94
  rectangle net GND: 141.467,-80.94 145.792,-77.94
  rectangle net +3.8V: 123.778,-77.8 128.103,-74.8
  rectangle net GND: 129.828,-77.8 134.153,-74.8
  rectangle net +3.8V: 136.472,-82.515 139.612,-80.559
  region net +3V3A-LDO: 124.478,-79.7 122.503,-79.7 122.503,-82.725 124.478,-82.725
  rectangle net +3V3A-LDO: 122.706,-91.378 123.706,-83.575
  rectangle net GND: 135.878,-91.378 136.753,-84.15
  rectangle net +3V3A-LDO: 134.178,-91.378 135.178,-84.2
  rectangle net +3V3A: 118.278,-82.8 120.253,-79.775
  rectangle net GND: 124.378,-91.35 125.378,-83.55
  rectangle net +3.8V: 125,-82.136 128.14,-80.181
  rectangle net GND: 147.253,-91.319 148.472,-83.902
  rectangle net +3V3-LDO: 145.553,-91.319 146.772,-83.902
  rectangle net GND: 112.463,-91.159 113.683,-83.743
  rectangle net +1V8-LDO: 110.763,-91.159 111.983,-83.743
  rectangle net NetR42_2: 142.412,-87.23 145.028,-84.588
  rectangle net NetR45_2: 107.622,-87.07 110.239,-84.428
  rectangle net NetR35_2: 130.884,-87.234 133.5,-84.593
Bottom Layer:
  rectangle net +2V5: 119.295,-13.85 120.718,-12.35
  rectangle net GND: 124.378,-91.35 125.378,-83.575
  rectangle net +3V3A-LDO: 122.706,-91.378 123.706,-83.6
  rectangle net NetC46_2: 114.114,-37.703 117.543,-36.382
  rectangle net NetC48_2: 110.152,-37.704 113.581,-36.384
  rectangle net +3V3A: 27.443,-27.443 29.78,-23.049
  rectangle net +1V8: 23.715,-27.443 26.052,-23.049
  rectangle net +1V8: 23.715,-81.299 26.052,-76.905
  rectangle net GND: 23.715,-76.143 29.786,-71.799
  rectangle net +3V3A: 27.443,-81.299 29.78,-76.905
  rectangle net GND: 33.774,-24.387 36.111,-21.796
  rectangle net GND: 33.774,-78.243 36.111,-75.652
  rectangle net +1V8: 31.539,-24.953 33.342,-23.023
  rectangle net +1V8: 31.539,-78.826 33.342,-76.897
  rectangle net GND: 23.715,-22.287 29.786,-17.943
  region net +1V0: 107.358,-12.783 105.935,-12.783 105.935,-14.283 107.358,-14.283
  rectangle net +1V8-LDO: 110.763,-91.159 111.983,-83.743
  rectangle net GND: 112.463,-91.159 113.683,-83.743
  rectangle net GND: 147.253,-91.319 148.472,-83.902
  rectangle net +3V3-LDO: 145.553,-91.319 146.772,-83.902
  rectangle net GND: 61.524,-32.053 64.166,-27.885
  rectangle net +1V0: 67.574,-32.053 70.216,-27.885
  rectangle net +1V0: 88.498,-32.053 91.14,-27.885
  rectangle net GND: 94.548,-32.053 97.19,-27.885
  rectangle net +1V0: 88.498,-72.668 91.14,-68.5
  rectangle net GND: 94.548,-72.668 97.19,-68.5
  rectangle net GND: 61.524,-72.668 64.166,-68.5
  rectangle net +1V0: 67.574,-72.668 70.216,-68.5
  region net +1V8D.2: 31.589,-81.045 36.06,-81.045 37.05,-80.054 39.667,-80.054 39.667,-79.14 37.05,-79.14 33.799,-79.14 33.545,-79.394 31.589,-79.394
  region net +1V8D.1: 31.589,-27.189 36.06,-27.189 37.05,-26.198 39.667,-26.198 39.667,-25.284 37.05,-25.284 33.799,-25.284 33.545,-25.538 31.589,-25.538
GND1 (plane layer: these items are gaps in the copper):
  rectangle: 149.689,-70.249 152.6,-69.073
  rectangle: 149.689,-57.1 152.6,-55.924
  rectangle: 149.689,-43.951 152.6,-42.775
  rectangle: 149.689,-30.801 152.6,-29.626
  lines w0.2: 114.875,-31.975 115.95,-33.05 115.95,-35.775 117.05,-35.775 117.05,-32.875 117.611,-32.314 120.061,-32.314 121.175,-31.2 121.175,-26.8 114.875,-26.8 114.875,-31.975 ; 115.85,-18.825 115.85,-18.075 119.65,-18.075 120.65,-17.075 126.5,-17.075 126.5,-23.175 120.7,-23.175 119.575,-22.05 119.575,-19.6 118.8,-18.825 115.85,-18.825
PWR1 (plane layer: these items are gaps in the copper):
  rectangle: 149.689,-70.249 152.6,-69.073
  rectangle: 149.689,-57.1 152.6,-55.924
  rectangle: 149.689,-43.95 152.6,-42.775
  rectangle: 149.689,-30.801 152.6,-29.626
  rectangle: 149.689,-30.801 152.6,-30.601
  lines w0.2: 59.376,-4 59.376,-78.471 146.451,-78.471 148.893,-80.914 148.893,-91.718 ; 97.783,-95.092 101.157,-91.718 148.893,-91.718 ; 161.388,-102.5 161.388,-91.718 148.893,-91.718 ; 108.45,-15.403 110.406,-15.403 111.244,-16.241 115.816,-16.241 117.441,-17.867 119.245,-17.867 119.245,-12.475 108.45,-12.475 108.45,-15.403
PWR2 (plane layer: these items are gaps in the copper):
  rectangle: 92.2,-71.614 93.475,-69.514
  rectangle: 92.2,-31 93.475,-28.9
  rectangle: 149.689,-70.249 152.6,-69.073
  rectangle: 149.689,-57.1 152.6,-55.924
  rectangle: 149.689,-43.95 152.6,-42.775
  rectangle: 149.689,-30.801 152.6,-29.626
  rectangle: 149.689,-30.801 152.6,-30.601
  lines w0.2: 57.513,1.996 57.513,-38.132 55.456,-40.189 42.384,-40.189 42.384,-59.914 56.008,-59.914 57.702,-61.607 57.702,-78.471 91.66,-78.471 137.39,-78.471 137.39,-92.061 ; 97.783,-95.092 100.814,-92.061 104.677,-92.061 ; 104.677,-78.471 104.677,-92.061 ; 118.399,-78.471 118.399,-92.061 ; 161.389,-102.5 161.389,-92.061 137.39,-92.061 ; 104.677,-92.061 118.399,-92.061 ; 118.399,-92.061 137.39,-92.061 ; 74.375,-52.78 80.375,-52.78 80.375,-48.78 74.375,-48.78 74.375,-52.78 ; 109.491,-48.347 120.947,-48.347 120.947,-32.314 109.491,-32.314 109.491,-48.347 ; 111.371,-16.412 111.371,-12.475 116.357,-12.475 119.321,-12.475 119.321,-16.412 111.371,-16.412
PWR3 (plane layer: these items are gaps in the copper):
  rectangle: 92.225,-71.589 93.45,-69.539
  rectangle: 92.225,-30.975 93.45,-28.925
  rectangle: 149.689,-70.249 152.6,-69.073
  rectangle: 149.689,-57.1 152.6,-55.924
  rectangle: 149.689,-43.951 152.6,-42.775
  rectangle: 149.689,-30.801 152.6,-29.626
  lines w0.2: 97.783,-95.092 101.157,-91.718 113.725,-91.718 ; 142.707,-83.273 142.707,-81.35 147.1,-81.35 147.1,-89.009 149.137,-89.009 151.28,-89.009 151.28,-87.515 153.157,-85.639 ; 161.3,-102.5 161.3,-93.5 155.8,-93.5 ; 113.725,-91.718 117.775,-91.718 117.775,-79.325 119.2,-77.9 123.25,-77.9 ; 113.725,-91.718 113.725,-83.025 112.7,-82 111.65,-80.95 111.65,-75.475 128.95,-58.175 134.825,-58.175 135.518,-57.481 135.518,-54.331 136.575,-53.275 140,-53.275 141.464,-51.811 146.98,-51.811 148.271,-53.102 148.271,-58.836 147.179,-59.929 142.146,-59.929 141.33,-60.745 141.33,-61.682 ; 123.25,-77.9 123.25,-71.8 125.375,-69.675 133.367,-61.682 141.33,-61.682 ; 123.25,-77.9 124.738,-79.388 124.738,-83.375 129.853,-83.375 139.081,-83.375 142.707,-83.375 142.707,-89.009 142.707,-93.5 155.8,-93.5 ; 141.33,-61.682 146.146,-61.682 147.831,-63.368 147.831,-73.606 151.4,-77.175 153.157,-78.932 153.157,-85.639 ; 153.157,-85.639 155.8,-85.639 155.8,-93.5
GND2 (plane layer: these items are gaps in the copper):
  circle w0.6: c118.4,-28.475 r0.3
  circle w0.6: c117.475,-28.475 r0.3
  circle w0.6: c125.05,-20.5 r0.3
  circle w0.6: c125,-19.7 r0.3
  rectangle: 149.689,-70.249 152.6,-69.073
  rectangle: 149.689,-57.1 152.6,-55.924
  rectangle: 149.689,-43.951 152.6,-42.775
  rectangle: 149.689,-30.801 152.6,-29.626

## Silkscreen, mask and mechanical layers (free items; w line width, h text height)
Top Overlay:
  lines w0.2: 58.7,-63.7 60.425,-63.7 58.5,-66.6 ; 58.5,-66.6 58.45,-66.225 58.775,-66.45 58.5,-66.6
  text "GND" at 50.713,-26.579 h1.5
  text "+1V0" at 129.35,-30.375 h1.5 r90
  text "+2V5" at 129.8,-37.225 h1.5
  text "GND" at 0.297,-42.874 h1.5
  text "GND" at 47.668,-49.18 h1.5
  text "GND" at 116.933,-51.815 h1.5
  text "+1V8" at -0.68,-54.401 h1.5
  text "+3V3A" at 4,-54.401 h1.5
  text "+3V3" at 9.14,-54.401 h1.5
  text "GND" at 51.958,-80.505 h1.5
Bottom Overlay:
  lines w0.1: 158.222,-70.471 159.275,-68.772 ; 158.222,-57.322 159.275,-55.623 ; 158.222,-44.173 159.275,-42.474 ; 158.222,-31.024 159.275,-29.325 ; 155.95,-68.772 162.6,-68.772 162.6,-65.497 155.95,-65.497 155.95,-68.772 ; 155.95,-55.623 162.6,-55.623 162.6,-52.348 155.95,-52.348 155.95,-55.623 ; 155.95,-42.474 162.6,-42.474 162.6,-39.199 155.95,-39.199 155.95,-42.474 ; 155.95,-29.325 155.95,-26.05 162.6,-26.05 162.6,-29.325 155.95,-29.325
  lines w0.2: 158.222,-70.446 158.225,-70.097 158.55,-70.297 158.222,-70.446 ; 158.222,-57.297 158.225,-56.948 158.55,-57.148 158.222,-57.297 ; 158.222,-44.148 158.225,-43.799 158.55,-43.999 158.222,-44.148 ; 158.222,-30.999 158.55,-30.85 158.225,-30.65 158.222,-30.999
  text "GND" at 80.662,-9.167 h1.5
  text "GND" at 2.506,-42.874 h1.5
  text "GND" at 120.515,-51.815 h1.5
  text "GND" at 80.75,-88.275 h1.5
Bottom Solder:
  region: -10.2,-102.5 cw(c-10.2,-100.5) -12.2,-100.5 -12.2,0 cw(c-10.2,0) -10.2,2 -3.35,2 -3.25,2 -3.25,-102.5
Board outline:
  lines w0.1: -12.2,-100.5 ccw(c-10.2,-100.5) -10.2,-102.5 7.234,-102.5 ccw(c7.234,-100.5) 9.234,-100.5 9.234,-96.5 cw(c11.234,-96.5) 11.234,-94.5 42.228,-94.5 cw(c42.228,-96.5) 44.228,-96.5 44.228,-100.5 ccw(c46.228,-100.5) 46.228,-102.5 57.376,-102.5 ccw(c57.376,-100.5) 59.376,-100.5 59.376,-96.5 cw(c61.376,-96.5) 61.376,-94.5 96.375,-94.5 cw(c96.375,-96.5) 98.375,-96.5 98.375,-100.5 ccw(c100.375,-100.5) 100.375,-102.5 180.799,-102.5 ccw(c180.799,-100.5) 182.799,-100.5 182.799,-41.75 182.799,-22.236 172.599,-22.236 cw(c172.599,-20.236) 170.599,-20.236 170.599,-8.616 cw(c172.599,-8.616) 172.599,-6.616 182.799,-6.616 182.799,0 ccw(c180.799,0) 180.799,2 100.375,2 ccw(c100.375,0) 98.375,0 98.375,-4 cw(c96.375,-4) 96.375,-6 61.376,-6 cw(c61.376,-4) 59.376,-4 59.376,0 ccw(c57.376,0) 57.376,2 46.228,2 ccw(c46.228,0) 44.228,0 44.228,-4 cw(c42.228,-4) 42.228,-6 11.234,-6 cw(c11.234,-4) 9.234,-4 9.234,0 ccw(c7.234,0) 7.234,2 -10.2,2 ccw(c-10.2,0) -12.2,0 -12.2,-100.5

## Text inside footprints (layer, text, board x,y; h text height)
J1: Structure "PCB Cutout Area" at 179.54,-21.64 h1.02 r90
J10: Structure "PCB Edge" at 185.9,-37.049 h0.61 r90
PCB1: Top Overlay "O" at 142.275,-2.4 h15